# Allegro board PROC048A_BRD.brd (continued)
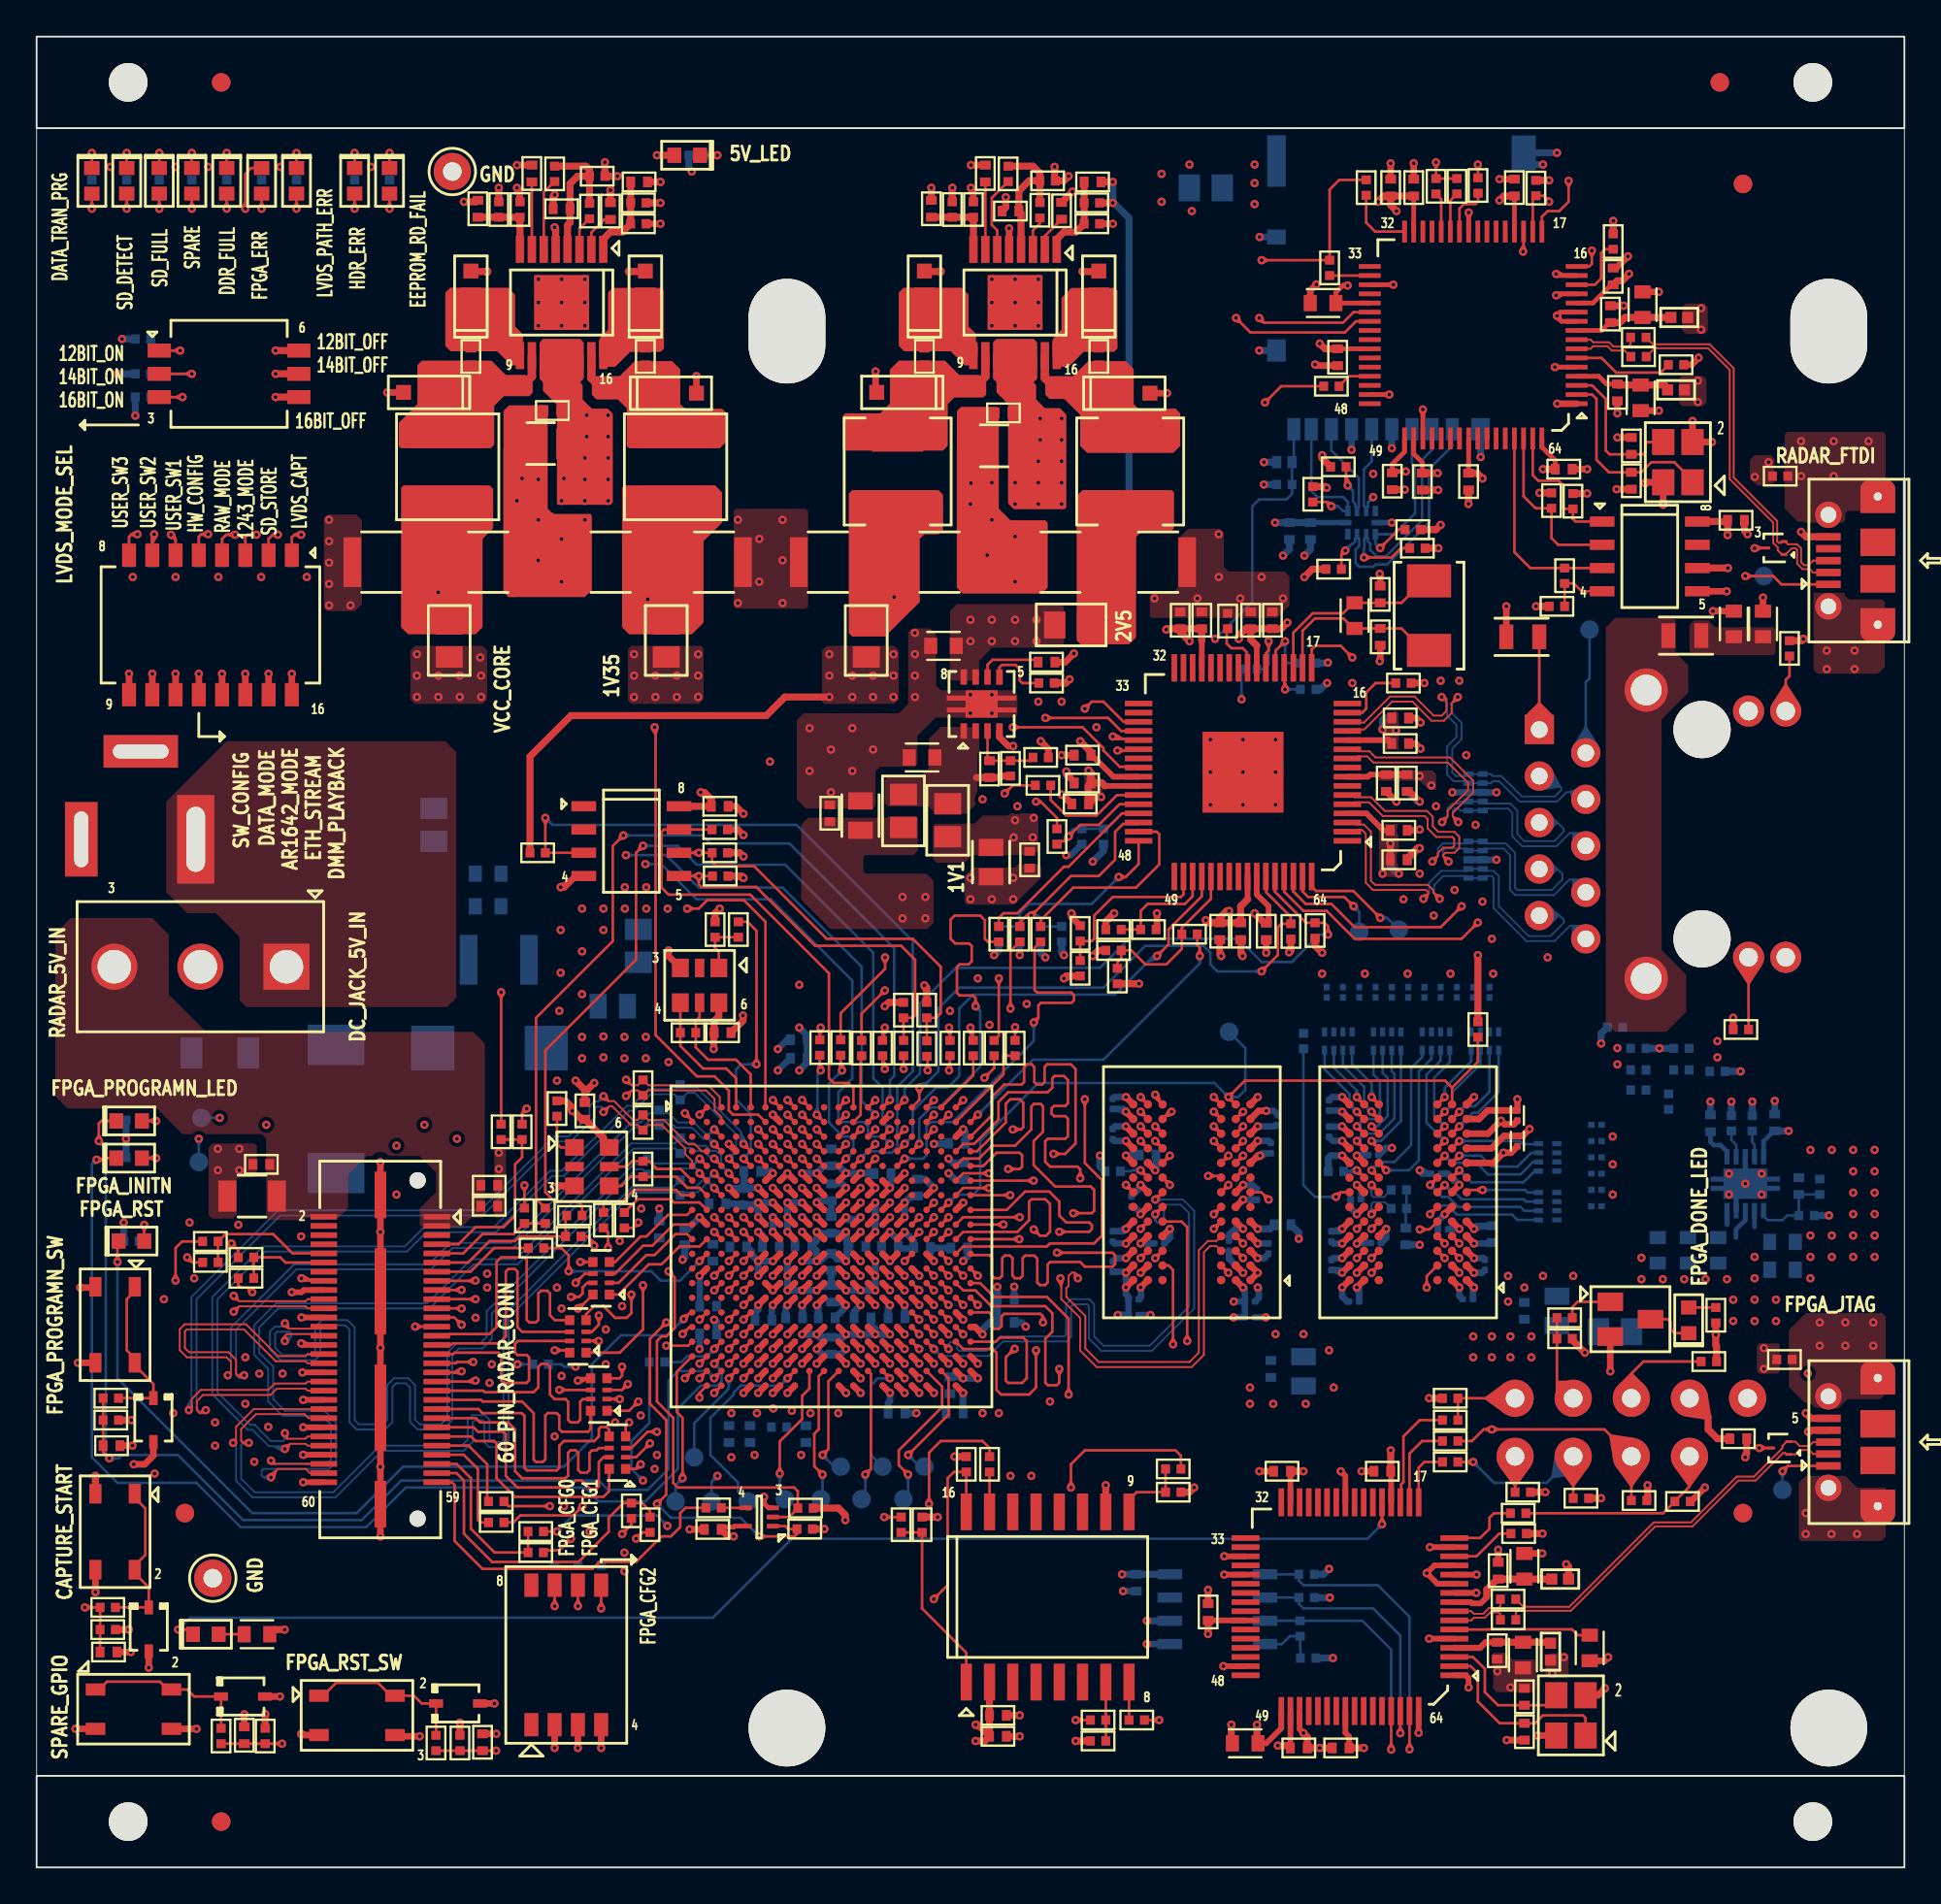
[diagram p0: board, top side]
## Nets (continued)
3V3_A: C11.1 C40.1 C41.1 FL4.1 L3.2 R14.1
5V: C25.2 C26.2 C27.1 C28.1 C99.1 C100.1 D1.2(ANODE) D2.2(ANODE) D3.2(ANODE) D4.2(ANODE) FL8.2 LD10.2(ANODE) R1.2 R2.2 U1.11(PVIN1) U1.12(PVIN2) U1.13(PVIN3) U1.14(PVIN4) U2.11(PVIN1) U2.12(PVIN2) U2.13(PVIN3) U2.14(PVIN4)
GND: C1.2 C2.2 C3.2 C4.2 C7.2 C8.2 C9.2 C12.2 C13.2 C14.2 C15.2 C16.2 C17.2 C22.2 C23.2 C24.2 C25.1 C26.1 C27.2 C28.2 C29.2 C30.2 C31.2 C32.2 C33.2 C34.2 C35.2 C36.2 C37.2 C38.2 C39.2 C40.2 C41.2 C42.2 C43.2 C44.2 C45.2 C46.2 C47.2 C48.2 C49.1 C50.1 C51.2 C52.2 C53.2 C54.2 C55.2 C56.2 C57.2 C59.2 C60.2 C61.2 C62.2 C63.2 C64.2 C65.2 C66.2 C67.2 C68.2 C69.2 C70.2 C71.2 C72.2 C73.2 C74.1 C75.1 C76.2 C77.2 C78.2 C79.1 C80.1 C81.1 C82.2 C83.2 C84.1 C85.2 C86.2 C87.2 C88.2 C89.1 C90.2 C91.2 C92.2 C93.2 C94.2 C95.1 C96.1 C97.2 C98.2 C99.2 C100.2 C101.2 C102.2 C103.2 C104.2 C105.2 C106.2 C107.2 C108.2 C109.2 C110.2 C111.2 C112.2 C113.2 C114.2 C115.2 C116.1 C117.2 C118.1 C119.1 C120.1 C121.2 C122.1 C123.2 C124.2 C125.1 C126.2 C127.1 C128.1 C129.2 C130.2 C131.2 C132.1 C133.1 C134.1 C135.2 C136.2 C137.1 C138.1 C139.2 C140.1 C141.2 C142.1 C143.1 C144.2 C145.1 C146.1 C147.2 C148.1 C149.1 C150.1 C151.1 C152.2 C153.1 C154.2 C155.2 C156.2 C157.2 C158.1 C159.2 C160.2 C161.1 C162.1 C163.2 C164.1 C165.2 C166.1 C167.2 C168.1 C169.1 C170.1 C171.1 C172.2 C173.1 C174.2 C175.2 C176.1 C177.2 C178.2 C179.2 C180.2 C181.2 C182.2 C183.2 C184.1 C185.1 C186.2 C187.2 C188.1 C189.2 C190.2 C191.1 C192.1 C193.2 C194.1 C195.2 C196.2 C197.2 C198.2 C199.2 C200.1 C201.2 C202.1 C203.2 C204.2 C205.2 C206.1 C207.2 C208.2 C209.1 C210.1 C211.1 C212.1 C213.2 C214.1 C215.2 C216.2 D5.2(ANODE) D6.2(ANODE) D7.2(ANODE) D8.2(ANODE) D9.3(GND) D10.2 D11.3(GND) D12.2 D13.2 D14.2 D15.2(A) D16.2(ANODE) FL7.1 J1.5 J2.2 J2.3 J3.18 J3.24 J3.30 J3.36 J3.42 J3.48 J3.54 J3.60 J3.61 J3.62 J3.63 J3.64 J4.4 J4.5 J5.6(VSS) J5.12(CD2) Q1.2(EMITTER) R13.2 R15.2 R18.2 R19.2 R21.2 R25.1 R27.1 R39.2 R42.1 R44.2 R46.2 R49.2 R56.1 R59.1 R66.1 R109.1 R135.2 R155.2 R185.1 R187.1 R188.1 R190.2 R196.2 R205.2 R206.2 R207.2 S1.2 S1.3 S1.4 SW1.4 SW1.5 SW1.6 SW2.9 SW2.10 SW2.11 SW2.12 SW2.13 SW2.14 SW2.15 SW2.16 SW4.3 SW4.4 SW5.3 SW5.4 SW6.3 SW6.4 SW7.3 SW7.4 TP5.1(TP) TP32.1(TP) TP33.1(TP) U1.5(GND) U1.17(DAP) U2.5(GND) U2.17(DAP) U3.1(GND1) U3.5(GND2) U3.10(AGND) U3.11(GND3) U3.13(TEST) U3.15(GND4) U3.25(GND5) U3.35(GND6) U3.47(GND7) U3.51(GND8) U4.5(VSS) U5.4(GND) U5.9(EPAD) U6.65(EP) U7.4(GND) U8.3(GND) U9.3(GND) U10.A1(VSS#A1) U10.A8(VSS#A8) U10.B1(VSS#B1) U10.B2(VSSQ#B2) U10.B8(VSSQ#B8) U10.C9(VSSQ#C9) U10.D1(VSSQ#D1) U10.D8(VSS#D8) U10.D9(VSSQ#D9) U10.F2(VSS#F2) U10.F8(VSS#F8) U10.J1(VSS#J1) U10.J9(VSS#J9) U10.L1(VSS#L1) U10.L9(VSS#L9) U10.N1(VSS#N1) U10.N9(VSS#N9) U11.A1(VSS#A1) U11.A8(VSS#A8) U11.B1(VSS#B1) U11.B2(VSSQ#B2) U11.B8(VSSQ#B8) U11.C9(VSSQ#C9) U11.D1(VSSQ#D1) U11.D8(VSS#D8) U11.D9(VSSQ#D9) U11.F2(VSS#F2) U11.F8(VSS#F8) U11.J1(VSS#J1) U11.J9(VSS#J9) U11.L1(VSS#L1) U11.L9(VSS#L9) U11.N1(VSS#N1) U11.N9(VSS#N9) U12.B7(GND#B7) U12.B14(GND#B14) U12.C19(GND#C19) U12.D4(GND#D4) U12.F7(GND#F7) U12.F8(GND#F8) U12.F13(GND#F13) U12.F14(GND#F14) U12.G4(GND#G4) U12.G6(GND#G6) U12.G7(GND#G7) U12.G8(GND#G8) U12.G9(GND#G9) U12.G10(GND#G10) U12.G11(GND#G11) U12.G12(GND#G12) U12.G13(GND#G13) U12.G14(GND#G14) U12.G15(GND#G15) U12.G17(GND#G17) U12.H19(GND#H19) U12.J2(GND#J2) U12.J7(GND#J7) U12.J9(GND#J9) U12.J10(GND#J10) U12.J11(GND#J11) U12.J12(GND#J12) U12.J14(GND#J14) U12.K6(GND#K6) U12.K7(GND#K7) U12.K9(GND#K9) U12.K10(GND#K10) U12.K11(GND#K11) U12.K12(GND#K12) U12.K14(GND#K14) U12.K15(GND#K15) U12.L9(GND#L9) U12.L10(GND#L10) U12.L11(GND#L11) U12.L12(GND#L12) U12.M2(GND#M2) U12.M7(GND#M7) U12.M9(GND#M9) U12.M10(GND#M10) U12.M11(GND#M11) U12.M12(GND#M12) U12.M14(GND#M14) U12.M16(GND#M16) U12.N6(GND#N6) U12.N7(GND#N7) U12.N14(GND#N14) U12.N15(GND#N15) U12.P7(GND#P7) U12.P8(GND#P8) U12.P11(GND#P11) U12.P12(GND#P12) U12.P13(GND#P13) U12.P14(GND#P14) U12.R19(GND#R19) U12.U7(GNDA#U7) U12.U8(GNDA#U8) U12.U9(GNDA#U9) U12.U10(GNDA#U10) U12.U11(GNDA#U11) U12.U12(GNDA#U12) U12.U13(GNDA#U13) U12.U14(GNDA#U14) U12.V5(GNDA#V5) U12.V6(GNDA#V6) U12.V7(GNDA#V7) U12.V8(GNDA#V8) U12.V9(GNDA#V9) U12.V12(GNDA#V12) U12.V13(GNDA#V13) U12.V14(GNDA#V14) U12.V15(GNDA#V15) U12.V16(GNDA#V16) U12.V19(GNDA#V19) U12.V20(GNDA#V20) U12.W6(GNDA#W6) U12.W7(GNDA#W7) U12.W12(GNDA#W12) U12.W15(GNDA#W15) U12.W16(GNDA#W16) U12.W19(GNDA#W19) U12.W20(REFCLKN_D1) U12.Y5(HDRXP0_D0CH0) U12.Y6(HDRXN0_D0CH0) U12.Y7(HDRXP0_D0CH1) U12.Y8(HDRXN0_D0CH1) U12.Y11(REFCLKP_D0) U12.Y12(REFCLKN_D0) U12.Y14(HDRXP0_D1CH0) U12.Y15(HDRXN0_D1CH0) U12.Y16(HDRXP0_D1CH1) U12.Y17(HDRXN0_D1CH1) U12.Y19(REFCLKP_D1) U13.3(GND) U14.10(VSS) U15.1(GND#1) U15.5(GND#5) U15.10(AGND) U15.11(GND#11) U15.13(TEST) U15.15(GND#15) U15.25(GND#25) U15.35(GND#35) U15.47(GND#47) U15.51(GND#51) U16.5(GND) U17.3(GND#3) U17.8(GND#8) U18.3(GND#3) U18.8(GND#8) U19.4(PGND) U19.8(GND) U19.11(PAD) U20.5(VSS) Y1.2 Y1.4 Y3.2 Y3.4
GND_EARTH: C49.2 C50.2 R41.1
GND_SDCD: FL7.2 J5.10 J5.11 J5.13 J5.14
VCC5V_CONN: C76.1 C77.1 C78.1 C79.2 J3.1 J3.2 J3.3 SW3.3
VCC5V_EXT: J2.1 SW3.1
VCC_1V1: C10.1 C36.1 C37.1 FL2.1 L1.2 R12.1
VCC_AUX: C124.1 C137.2 C144.1 C199.1 C203.1 FL9.1 U12.F6(VCCAUX#F6) U12.F15(VCCAUX#F15) U12.P6(VCCAUX#P6) U12.P15(VCCAUX#P15) U12.V10(VCCAUXA0#V10) U12.V11(VCCAUXA0#V11) U12.V17(VCCAUXA1#V17) U12.V18(VCCAUXA1#V18)
VCC_CORE: C151.2 C160.1 C171.2 C172.1 C173.2 C174.1 C182.1 C183.1 C188.2 C194.2 FL2.2 U12.H8(VCC#H8) U12.H9(VCC#H9) U12.H10(VCC#H10) U12.H11(VCC#H11) U12.H12(VCC#H12) U12.H13(VCC#H13) U12.J8(VCC#J8) U12.J13(VCC#J13) U12.K8(VCC#K8) U12.K13(VCC#K13) U12.L8(VCC#L8) U12.L13(VCC#L13) U12.M8(VCC#M8) U12.M13(VCC#M13) U12.N8(VCC#N8) U12.N9(VCC#N9) U12.N10(VCC#N10) U12.N11(VCC#N11) U12.N12(VCC#N12) U12.N13(VCC#N13)
VCCHTX: C63.1 C64.1 C209.2 C211.2 C212.2 FL5.2 R214.1 U12.T6(VCCA0#T6) U12.T15(VCCA1#T15) U12.U6(VCCA0#U6) U12.U15(VCCA1#U15)
VCCHTX_1V1: C57.1 C58.1 FL5.1 FL6.1 R45.1 U5.1(OUT1) U5.2(OUT2)
VCCHTX_C: C200.2 C206.2 C210.2 R214.2 U12.T7(VCCHTX0_D0CH0) U12.T8(VCCHRX0_D0CH0) U12.T9(VCCHRX1_D0CH1) U12.T10(VCCHTX1_D0CH1) U12.T11(VCCHTX0_D1CH0) U12.T12(VCCHRX0_D1CH0) U12.T13(VCCHRX1_D1CH1) U12.T14(VCCHTX1_D1CH1)
12MHZ_OSCI: C31.1 U3.2(OSCI) Y1.1
12MHZ_OSCI1: C93.1 U15.2(OSCI) Y3.1
12MHZ_OSCO: C29.1 U3.3(OSCO) Y1.3
12MHZ_OSCO1: C91.1 U15.3(OSCO) Y3.3
AR1243_LVDS_MODE: R175.2 SW2.3 U12.C6(PT11A)
BST1_REGA: C19.2 D7.1(CATHODE) L2.1 U1.15(SW1)
BST1_REGB: C21.2 D8.1(CATHODE) L4.1 U2.15(SW1)
BST2_REGA: C18.2 D5.1(CATHODE) L1.1 U1.10(SW2)
BST2_REGB: C20.2 D6.1(CATHODE) L3.1 U2.10(SW2)
C_RGMII_RXC: R47.2 U6.43(RX_CLK)
C_RGMII_RXCTL: R63.2 R64.2 R66.2 U6.53(RX_DV/RX_CTRL)
C_RGMII_RXD0: R48.1 R184.2 R185.2 U6.44(RX_D0)
C_RGMII_RXD1: R60.1 U6.45(RX_D1)
C_RGMII_RXD2: R61.1 R186.1 R187.2 U6.46(RX_D2)
C_RGMII_RXD3: R62.1 U6.47(RX_D3)
C_RGMII_RXD4: R188.2 R189.1 U6.48(RX_D4/GPIO)
C_RGMII_RXD6: R59.2 R65.1 U6.50(RX_D6/GPIO)
C_RGMII_RXD7: R55.1 R56.2 U6.51(RX_D7/GPIO)
CAPTURE_START: C89.2 R151.1 R153.2 U12.U1(PB6A/D5/MISO2/IO5)
CFG0: R217.2 S1.7 U12.U4(CFG_0)
CFG1: R216.2 S1.6 U12.T4(CFG_1)
CFG2: R215.2 S1.5 U12.R4(CFG_2)
CONFIG_VIA_HW: R177.2 SW2.5 U12.A7(PT18A)
CONN_SPI_CLK: J3.9 R91.2 R92.2
CONN_SPI_CSN: J3.7 R85.2 R86.2
CONN_SPI_MISO: J3.12 R90.2 R96.2
CONN_SPI_MOSI: J3.11 R99.2 R101.2
DATA_TRANS_PROG_LED1: LD1.1(CATHODE) U12.E6(PT6A)
DDR3_A0: RA6.6 U10.K3(A0) U11.K3(A0) U12.K18(PR41D)
DDR3_A1: RA7.7 U10.L7(A1) U11.L7(A1) U12.G20(PR38D)
DDR3_A2: RA6.5 U10.L3(A2) U11.L3(A2) U12.G19(PR41A/GR_PCLK2_1)
DDR3_A3: RA9.8 U10.K2(A3) U11.K2(A3) U12.J18(PR41C/GR_PCLK2_0)
DDR3_A4: RA7.8 U10.L8(A4) U11.L8(A4) U12.J19(PR44A/PCLKT2_1/S2_OUT)
DDR3_A5: RA5.5 U10.L2(A5) U11.L2(A5) U12.J16(PR20D)
DDR3_A6: RA8.8 U10.M8(A6) U11.M8(A6) U12.E20(PR38A)
DDR3_A7: RA5.6 U10.M2(A7) U11.M2(A7) U12.K17(PR29B)
DDR3_A8: RA8.7 U10.N8(A8) U11.N8(A8) U12.J20(PR44C/PCLKT2_0/S3_IN)
DDR3_A9: RA5.7 U10.M3(A9) U11.M3(A9) U12.D20(PR35C/VREF1_2)
DDR3_A10: RA6.8 U10.H7(A10/AP) U11.H7(A10/AP) U12.K19(PR44B/PCLKC2_1)
DDR3_A11: RA8.6 U10.M7(A11) U11.M7(A11) U12.F19(PR38B)
DDR3_A12: RA7.5 U10.K7(A12/BC#) U11.K7(A12/BC#) U12.F20(PR38C)
DDR3_A13: RA5.8 U10.N3(A13) U11.N3(A13) U12.L19(PR47C/PCLKT3_0/S4_IN)
DDR3_A14: RA8.5 U10.N7(A14) U11.N7(A14) U12.K16(PR29A)
DDR3_A15: RA6.7 U10.J7(A15) U11.J7(A15) U12.J17(PR20C)
DDR3_BA0: RA9.7 U10.J2(BA0) U11.J2(BA0) U12.D19(PR35B/S2_IN)
DDR3_BA1: RA7.6 U10.K8(BA1) U11.K8(BA1) U12.C20(PR35A/S1_OUT)
DDR3_BA2: RA9.6 U10.J3(BA2) U11.J3(BA2) U12.H17(PR20B)
DDR3_CASN: RA10.7 U10.G3(CAS#) U11.G3(CAS#) U12.E19(PR35D)
DDR3_CK: R210.1 U10.F7(CK) U11.F7(CK) U12.U18(PR92A/LRC_GPLL0T_MFGOUT1)
DDR3_CKE: R191.1 U10.G9(CKE) U11.G9(CKE) U12.L20(PR47A/PCLKT3_1/S3_OUT)
DDR3_CKN: R209.1 U10.G7(CK#) U11.G7(CK#) U12.U17(PR92B/LRC_GPLL0C_MFGOUT1)
DDR3_CSN: RA9.5 U10.H2(CS#) U11.H2(CS#) U12.T17(PR92D/LRC_GPLL0C_IN/S7_OUT)
DDR3_DM0: U11.B7(DM/TDQS) U12.U19(PR89C/LRC_GPLL0T_MFGOUT2)
DDR3_DM1: U10.B7(DM/TDQS) U12.R17(PR56D)
DDR3_DQ0: U11.B3(DQ0) U12.N20(PR83B/S6_IN)
DDR3_DQ1: U11.C7(DQ1) U12.P19(PR83C)
DDR3_DQ2: U11.C2(DQ2) U12.N19(PR83A/S5_OUT)
DDR3_DQ3: U11.C8(DQ3) U12.R20(PR86B/S7_IN)
DDR3_DQ4: U11.E3(NF/DQ4) U12.U20(PR86D)
DDR3_DQ5: U11.E8(NF/DQ5) U12.P18(PR83D)
DDR3_DQ6: U11.D2(NF/DQ6) U12.U16(PR92C/LRC_GPLL0T_IN)
DDR3_DQ7: U11.E7(NF/DQ7) U12.P20(PR86A/S6_OUT)
DDR3_DQ8: U10.B3(DQ0) U12.M19(PR47D/PCLKC3_0)
DDR3_DQ9: U10.C7(DQ1) U12.L16(PR50A/GR_PCLK3_0)
DDR3_DQ10: U10.C2(DQ2) U12.R16(PR56C/S5_IN)
DDR3_DQ11: U10.C8(DQ3) U12.N17(PR56A/S4_OUT)
DDR3_DQ12: U10.E3(NF/DQ4) U12.M20(PR47B/PCLKC3_1)
DDR3_DQ13: U10.E8(NF/DQ5) U12.N18(PR53C)
DDR3_DQ14: U10.D2(NF/DQ6) U12.L18(PR50C/GR_PCLK3_1)
DDR3_DQ15: U10.E7(NF/DQ7) U12.M18(PR50D)
DDR3_DQS0: U11.C3(DQS) U12.T19(PR89A)
DDR3_DQS0N: U11.D3(DQS#) U12.R18(PR89B)
DDR3_DQS1: U10.C3(DQS) U12.N16(PR53A)
DDR3_DQS1N: U10.D3(DQS#) U12.M17(PR53B)
DDR3_ODT: RA10.8 U10.G1(ODT) U11.G1(ODT) U12.T16(PR77A)
DDR3_RASN: RA10.5 U10.F3(RAS#) U11.F3(RAS#) U12.H20(PR41B)
DDR3_RSTN: R69.2 TP13.1(TP) U10.N2(RESET#) U11.N2(RESET#) U12.H18(PR20A)
DDR3_VDD: C74.2 C75.2 C128.2 C129.1 C130.1 C134.2 C135.1 C138.2 C146.2 C152.1 C154.1 C155.1 C161.2 C164.2 C165.1 C168.2 C169.2 C170.2 C178.1 C184.2 C185.2 C186.1 C189.1 C190.1 C192.2 C193.1 C195.1 C196.1 C197.1 C198.1 C207.1 C208.1 FL10.2 U10.A2(VDD#A2) U10.A9(VDD#A9) U10.B9(VDDQ#B9) U10.C1(VDDQ#C1) U10.D7(VDD#D7) U10.E2(VDDQ#E2) U10.E9(VDDQ#E9) U10.G2(VDD#G2) U10.G8(VDD#G8) U10.K1(VDD#K1) U10.K9(VDD#K9) U10.M1(VDD#M1) U10.M9(VDD#M9) U11.A2(VDD#A2) U11.A9(VDD#A9) U11.B9(VDDQ#B9) U11.C1(VDDQ#C1) U11.D7(VDD#D7) U11.E2(VDDQ#E2) U11.E9(VDDQ#E9) U11.G2(VDD#G2) U11.G8(VDD#G8) U11.K1(VDD#K1) U11.K9(VDD#K9) U11.M1(VDD#M1) U11.M9(VDD#M9)
DDR3_VREF: C132.2 R199.1 U19.6(REFOUT)
DDR3_VTT: C113.1 C114.1 C115.1 C116.2 C117.1 C118.2 C119.2 C120.2 C121.1 C122.2 C123.1 C133.2 C136.1 C141.1 C145.2 C150.2 C157.1 C179.1 C180.1 C181.1 R191.2 R197.1 RA5.1 RA5.2 RA5.3 RA5.4 RA6.1 RA6.2 RA6.3 RA6.4 RA7.1 RA7.2 RA7.3 RA7.4 RA8.1 RA8.2 RA8.3 RA8.4 RA9.1 RA9.2 RA9.3 RA9.4 RA10.1 RA10.2 RA10.3 RA10.4 U19.3(VO) U19.5(VOSNS)
DDR3_WEN: RA10.6 U10.H3(WE#) U11.H3(WE#) U12.K20(PR44D/PCLKC2_0)
DDR_1V35: C5.1 C38.1 C39.1 FL3.1 L2.2 R10.1
DDR_FULL_LED7: LD6.1(CATHODE) U12.E10(PT56B)
DMM_CLK: J3.15 R94.2
DMM_CLK_C: R94.1 U12.G1(PL47D/PCLKC6_0)
DMM_MUX_CTL: J3.16 R120.2
DMM_MUX_CTL_C: R120.1 U12.P5(PL83D/D14/IO14)
DMM_SYNC: J3.17 R95.2
DMM_SYNC_C: R95.1 U12.H2(PL47C/PCLKT6_0)
DONE: R104.2 R107.2 TP2.1(TP) U12.Y3(DONE)
DP0: J3.19 RA1.5
DP0_C: RA1.4 U12.H1(PL53C)
DP1: J3.21 RA1.6
DP1_C: RA1.3 U12.J1(PL53B)
DP2: J3.23 RA1.7
DP2_C: RA1.2 U12.K1(PL53D)
DP3: J3.25 RA1.8
DP3_C: RA1.1 U12.K2(PL53A)
DP4: J3.27 RA2.5
DP4_C: RA2.4 U12.K3(PL50D)
DP5: J3.29 RA2.6
DP5_C: RA2.3 U12.K4(PL56A)
DP6: J3.31 RA2.7
DP6_C: RA2.2 U12.J5(PL50B)
DP7: J3.33 RA2.8
DP7_C: RA2.1 U12.K5(PL56B/VREF1_6)
DP8: J3.35 RA3.5
DP8_C: RA3.4 U12.J4(PL50A/GR_PCLK6_0)
DP9: J3.37 RA3.6
DP9_C: RA3.3 U12.L5(PL56D)
DP10: J3.39 RA3.7
DP10_C: RA3.2 U12.J3(PL50C/GR_PCLK6_1)
DP11: J3.41 RA3.8
DP11_C: RA3.1 U12.M4(PL83A)
DP12: J3.43 RA4.5
DP12_C: RA4.4 U12.L4(PL56C)
DP13: J3.45 RA4.6
DP13_C: RA4.3 U12.N4(PL83C/D15/IO15)
DP14: J3.47 RA4.7
DP14_C: RA4.2 U12.N5(PL83B)
DP15: J3.49 RA4.8
DP15_C: RA4.1 U12.M5(PL77A)
ECP5U_VREF: C213.1 C214.2 R192.2 R194.1 R196.1 U12.P16(PR56B/VREF1_3)
EEPROM_ADD: R50.2 U7.3(A2) U12.E12(PT74B/GR_PCLK1_1)
EEPROM_RD_FAIL_LED6: LD9.1(CATHODE) U12.C11(PT65B/PCLKC0_0)
EEPROM_WP: R49.1 U7.7(WP) U12.A12(PT76A)
ETH_D0N: J6.10(TD0-) U6.3(TD_M_A) U18.5(D2-) U18.6(NC1)
ETH_D0P: J6.9(TD0+) U6.2(TD_P_A) U18.4(D2+) U18.7(NC2)
ETH_D1N: J6.8(TD1-) U6.6(TD_M_B) U18.2(D1-) U18.9(NC3)
ETH_D1P: J6.7(TD1+) U6.5(TD_P_B) U18.1(D1+) U18.10(NC4)
ETH_D2N: J6.6(TD2-) U6.11(TD_M_C) U17.5(D2-) U17.6(NC1)
ETH_D2P: J6.5(TD2+) U6.10(TD_P_C) U17.4(D2+) U17.7(NC2)
ETH_D3N: J6.4(TD3-) U6.14(TD_M_D) U17.2(D1-) U17.9(NC3)
ETH_D3P: J6.3(TD3+) U6.13(TD_P_D) U17.1(D1+) U17.10(NC4)
ETH_INT: R58.2 U6.60(INT/PWDN) U12.A15(PT103A)
FB1_REGA: C5.2 R10.2 R18.1 U1.1(FB1)
FB1_REGB: C6.2 R11.2 R19.1 U2.1(FB1)
FB2_REGA: C10.2 R12.2 R13.1 U1.8(FB2)
FB2_REGB: C11.2 R14.2 R15.1 U2.8(FB2)
FPGA_DDR3_CLK_IN_N: R71.2 U8.5(OUTPUT2) U12.A5(PL11B/ULC_GPLL0C_IN)
FPGA_DDR3_CLK_IN_P: R71.1 U8.4(OUTPUT1) U12.A4(PL11A/ULC_GPLL0T_IN)
FPGA_ERR_LED2: LD5.1(CATHODE) U12.D10(PT56A)
FPGA_HOST_INT: R97.1 U12.M3(PL86B/D12/IO12)
FPGA_MCU_RSTN: R147.2 U12.N3(PL86A/D13/IO13) U13.1(A)
FPGA_RST: C96.2 LD13.1(CATHODE) R161.1 R162.2 U12.R1(PB4A/D7/IO7)
FPGA_SPI_CS: R86.1 U12.E13(PT80B)
FPGA_SPI_MISO: R90.1 U12.D14(PT85A)
FPGA_SPI_MOSI: R99.1 U12.C14(PT83B)
FPGA_SPI_SCK: R92.1 U12.A14(PT83A)
FPGA_UART_RX: R142.1 U12.A13(PT76B)
FPGA_UART_TX: R139.1 U12.B13(PT78A)
FT_FPGA_RF_EP_I2C_SCL: R3.1 R51.2 R68.2 R81.1 R141.1 U7.6(SCL)
FT_FPGA_RF_EP_I2C_SDA: R4.1 R5.1 R52.2 R67.2 R76.1 R136.1 U7.5(SDA)
FTDI1_VDD_1V8: C97.1 U15.12(VCORE#12) U15.37(VCORE#37) U15.49(VREGOUT) U15.64(VCORE#64)
FTDI1_VPHY: C88.1 C90.1 FB4.2 U15.4(VPHY)
FTDI1_VPLL: C85.1 C86.1 FB3.2 U15.9(VPLL)
FTDI2_VCORE: C14.1 C15.1 C30.1 C32.1 U3.12(VCORE#12) U3.37(VCORE#37) U3.49(VREGOUT) U3.64(VCORE#64)
FTDI2_VPHY: C23.1 C24.1 FB2.2 U3.4(VPHY)
FTDI2_VPLL: C16.1 C17.1 FB1.2 U3.9(VPLL)
FTDI_HOST_INT: R6.1 R22.1 R100.1
FTDI_JTAG_ACT: LD15.1(CATHODE) U15.21(ADBUS4)
FTDI_JTAG_TCK: R135.1 R140.2 TP9.1(TP) U12.T5(TCK/TEST_CLK)
FTDI_JTAG_TDI: R124.2 R133.1 TP7.1(TP) U12.R5(TDI)
FTDI_JTAG_TDO: R121.2 R134.1 TP8.1(TP) U12.V4(TDO)
FTDI_JTAG_TMS: R115.1 R118.2 TP1.1(TP) U12.U5(TMS)
FTDI_MCU_RSTN: R26.1 R144.2 U13.2(B)
FTDI_UART_RXD: R146.1 U3.38(CDBUS0)
FTDI_UART_TXD: R138.1 U3.39(CDBUS1)
FTDI_USB1_DM: D11.1(D+) J4.2 R152.1
FTDI_USB1_DM_C: R152.2 U15.7(DM)
FTDI_USB1_DP: D11.2(D-) J4.3 R150.1
FTDI_USB1_DP_C: R150.2 U15.8(DP)
FTDI_USB2_DM: D9.1(D+) J1.2 R24.1
FTDI_USB2_DM_C: R24.2 U3.7(DM)
FTDI_USB2_DP: D9.2(D-) J1.3 R23.1
FTDI_USB2_DP_C: R23.2 U3.8(DP)
GPIO_PHY_RESETN: R57.2 U6.59(RESET_N) U12.A16(PT110A)
HEADER_ERR_LED4: LD8.1(CATHODE) U12.B11(PT65A/PCLKT0_0)
HOST_INT: J3.10 R97.2 R100.2
INITN: LD12.1(CATHODE) R111.2 TP3.1(TP) U12.V3(INITN)
LED_ACTN: J6.12 U6.61(LED_2)
LED_LINKN: J6.13 U6.62(LED_1)
LED_SPEED: TP12.1(TP) U6.63(LED_0)
LVDS_0M: J3.58 R203.2 U12.E3(PL20B)
LVDS_0P: J3.56 R203.1 U12.F4(PL20A)
LVDS_1M: J3.52 R198.2 U12.D5(PL17B)
LVDS_1P: J3.50 R198.1 U12.E4(PL17A)
LVDS_2M: J3.40 R84.2 U12.E1(PL38D)
LVDS_2P: J3.38 R84.1 U12.D2(PL38C)
LVDS_3M: J3.34 R200.2 U12.D3(PL17D)
LVDS_3P: J3.32 R200.1 U12.C3(PL17C)
LVDS_12BIT_MODE_ON: R223.1 SW1.1 U12.A6(PT4A/ULC_GPLL1T_IN)
LVDS_14BIT_MODE_ON: R222.1 SW1.2 U12.B6(PT4B/ULC_GPLL1C_IN)
LVDS_16BIT_MODE_ON: R224.1 SW1.3 U12.D7(PT9B)
LVDS_CAPTURE: R173.2 SW2.1 U12.E8(PT13A)
LVDS_CLKM: J3.46 R208.2 U12.F3(PL44B/PCLKC7_1)
LVDS_CLKP: J3.44 R208.1 U12.G3(PL44A/PCLKT7_1)
LVDS_FRCLKN: J3.28 R204.2 U12.E2(PL44D/PCLKC7_0)
LVDS_FRCLKP: J3.26 R204.1 U12.F2(PL44C/PCLKT7_0)
LVDS_PATH_ERR_LED3: LD7.1(CATHODE) U12.A11(PT63B/PCLKC0_1)
LVDS_VALIDM: J3.22 R82.2 U12.B3(PL14D)
LVDS_VALIDP: J3.20 R82.1 U12.A3(PL14C)
MCU_RSTN: J3.59 R143.2
MDIO_MDC: R75.1 R183.2 U6.20(MDC)
MDIO_MDIO: R73.1 R181.2 U6.21(MDIO)
MEM_VREF: C139.1 C140.2 C159.1 C162.2 R190.1 R193.2 R195.2 U10.E1(VREFDQ) U10.J8(VREFCA) U11.E1(VREFDQ) U11.J8(VREFCA)
OSC_CLKEN: R54.1 U12.E5(PL20C)
PG: R201.2 U19.9(PGOOD)
PGOOD: R98.1 U12.L2(PL86D/D10/IO10)
PHY_JTAG_RESET: R39.1 U6.24(JTAG_TRSTN)
PROGRAMN: C81.2 LD11.1(CATHODE) R114.1 R117.2 R132.2 TP6.1(TP) U12.W3(PROGRAMN)
RAW_MODE: R176.2 SW2.4 U12.C8(PT15A)
RF_CONN_SPI_CS: R85.1 U3.19(ADBUS3)
RF_CONN_SPI_MISO: R7.2 R96.1 U3.18(ADBUS2)
RF_CONN_SPI_MOSI: R101.1 U3.17(ADBUS1)
RF_CONN_SPI_SCK: R91.1 U3.16(ADBUS0)
RGMII_CLKOUT: R182.1 U12.A19(PT121A/URC_GPLL1T_IN)
RGMII_RXC: R47.1 U12.D11(PT69A/PCLKT1_1)
RGMII_RXCTL: R63.1 U12.B20(PT121B/URC_GPLL1C_IN)
RGMII_RXD0: R48.2 U12.B17(PT114A)
RGMII_RXD1: R60.2 U12.D16(PT112B)
RGMII_RXD2: R61.2 U12.A17(PT116A)
RGMII_RXD3: R62.2 U12.E15(PT107B)
RGMII_TXC: R74.1 U6.40(GTX_CLK)
RGMII_TXCTL: U6.52(TX_EN/TX_CTRL) U12.D15(PT107A)
RGMII_TXD0: R80.1 U6.38(TX_D0)
RGMII_TXD1: R78.1 U6.37(TX_D1)
RGMII_TXD2: R77.1 U6.36(TX_D2)
RGMII_TXD3: R79.1 U6.35(TX_D3)
RS232RX: J3.55 R142.2 R146.2
RS232TX: J3.57 R138.2 R139.2
SCL: J3.53 R141.2
SD_CD: D15.1(K) J5.9(CD1) R172.2 U12.C15(PT105B)
SD_CLK: J5.5(CLK) R72.2 U16.3(IO3)
SD_CMD: J5.3(CMD) R32.2 U12.E9(PT20B) U16.6(IO4)
SD_DAT0: J5.7(DAT0) R28.2 U12.D9(PT20A) U16.2(IO2)
SD_DAT1: J5.8(DAT1) R29.2 U12.C10(PT58B) U16.1(IO1)
SD_DAT2: J5.1(DAT2) R34.2 U12.A9(PT60A/GR_PCLK0_1) U16.8(IO6)
SD_DAT3: J5.2(CD/DAT3) R33.2 U12.B9(PT58A) U16.7(IO5)
SD_DETECT_LED5: LD2.1(CATHODE) U12.D6(PT6B)
SD_FULL_LED0: LD3.1(CATHODE) U12.C9(PT54A)
SD_STORE: R174.2 SW2.2 U12.C7(PT11B)
SDA: J3.51 R136.2
SPARE_GPIO_SW: C95.2 R159.1 R160.2 U12.T1(PB4B/D6/IO6)
SPARE_LED8: LD4.1(CATHODE) U12.E7(PT9A)
SPI_CS_N: R156.1 U12.R2(PB15A/HOLDN/DI/BUSY/CSSPIN/CEN)
SPI_HOLD_N: R148.1 U12.W1(PB9A/D3/IO3)
SPI_MISO: R157.1 U12.V2(PB11A/D1/MISO/IO1)
SPI_MOSI: R126.1 U12.W2(PB11B/D0/MOSI/IO0)
SPI_SCK: R125.2 R213.1 U14.16(C)
SPI_WP_N: R127.1 U12.Y2(PB9B/D2/IO2)
SYS_CLK100_N: R88.2 U9.5(OUTPUT2) U12.F1(PL47B/PCLKC6_1)
SYS_CLK100_P: R88.1 U9.4(OUTPUT1) U12.G2(PL47A/PCLKT6_1)
USB1_CS: R218.2 U15.63(EECS) U20.1(CS)
USB1_DI: R220.2 U15.61(EEDATA) U20.3(DI)
USB1_DO: R220.1 R221.2 U20.4(DO)
USB1_SCK: R219.2 U15.62(EECLK) U20.2(CLK)
USB2_CS: R31.2 U3.63(EECS) U4.1(CS)
USB2_DI: R35.2 U3.61(EEDATA) U4.3(DI)
USB2_DO: R35.1 R37.2 U4.4(DO)
USB2_SCK: R30.2 U3.62(EECLK) U4.2(CLK)
USER_SW1: R178.2 SW2.6 U12.B8(PT15B)
USER_SW2: R179.2 SW2.7 U12.A8(PT18B)
USER_SW3: R180.2 SW2.8 U12.D8(PT13B)
N35698: J6.SH1 J6.SH2 R41.2
N35954: J6.1(CH-GND) R42.2
N35962: J6.11 R70.2
N36046: J6.14 R40.2
N40882: C44.1 R38.1 U6.19(X_I) Y2.1
N40902: C51.1 R38.2 U6.18(X_O) Y2.2
N41020: R182.2 U6.22(CLK_OUT)
N41650: TP11.1(TP) U6.17(VDDA1P8#17) U6.64(VDDA1P8#64)
N44878: R44.1 U6.15(RBIAS)
N70149: R155.1 U15.6(REF)
N70296: R145.2 U15.14(RESET#)
N76086: R140.1 U15.16(ADBUS0)
N76092: R124.1 U15.17(ADBUS1)
N76288: R121.1 U15.18(ADBUS2)
N76294: R118.1 U15.19(ADBUS3)
N77950: LD15.2(ANODE) R154.2
N12057923: C163.1 R209.2 R210.2
N12082124: R213.2 U12.U3(CCLK/MCLK/SCK)
N12141516: R25.2 U3.6(REF)
N12141647: R20.2 U3.14(R\E\S\E\T\)
N12198012: R53.2 R54.2 U8.1(TRI-STATE)
N12285548: J3.13 R98.2
N12367018: TP17.1(TP) U12.W11(RESERVED#W11)
N12367024: TP20.1(TP) U12.W10(RESERVED#W10)
N12367080: TP14.1(TP) U12.W4(HDTXP0_D0CH0)
N12367084: TP23.1(TP) U12.W5(HDTXN0_D0CH0)
N12367136: TP22.1(TP) U12.W8(HDTXP0_D0CH1)
N12367140: TP21.1(TP) U12.W9(HDTXN0_D0CH1)
N12367168: TP19.1(TP) U12.W13(HDTXP0_D1CH0)
N12367248: TP16.1(TP) U12.W14(HDTXN0_D1CH0)
N12367252: TP18.1(TP) U12.W17(HDTXP0_D1CH1)
N12367256: TP15.1(TP) U12.W18(HDTXN0_D1CH1)
N12556752: R6.2 U3.32(BDBUS5)
N12556756: R22.2 U3.34(BDBUS7)
N12556864: R5.2 U3.27(BDBUS1)
N12556868: R4.2 U3.28(BDBUS2)
N12563455: R26.2 U3.45(CDBUS6)
N15277458: R43.2 U5.5(EN)
N15277487: C53.1 U5.6(NR)
N15279182: C58.2 R45.2 R46.1 U5.3(FB/SNS)
N15280631: C2.1 R1.1 R8.1 R16.1 U1.4(AVIN)
N15281998: R16.2 U1.3(EN1)
N15282067: R8.2 U1.6(EN2)
N15282531: C12.1 U1.2(SS1)
N15282538: C1.1 U1.7(SS2)
N15283211: C18.1 D1.1(CATHODE) U1.9(BST2)
N15283215: C19.1 D2.1(CATHODE) U1.16(BST1)
N15294700: C21.1 D4.1(CATHODE) U2.16(BST1)
N15294712: C20.1 D3.1(CATHODE) U2.9(BST2)
N15294756: C4.1 R2.1 R9.1 R17.1 U2.4(AVIN)
N15294840: R17.2 U2.3(EN1)
N15294864: R9.2 U2.6(EN2)
N15294982: C13.1 U2.2(SS1)
N15294990: C3.1 U2.7(SS2)
N15331843: C148.2 R207.1 R211.2 U19.1(REFIN)
N15331979: R202.2 U19.7(EN)
N15354055: R194.2 R195.1 R197.2 R199.2
N15358263: R83.2 U9.1(TRI-STATE)
N15366217: LD11.2(ANODE) R87.2
N15366273: LD13.2(ANODE) R93.2
N15366361: LD14.2(ANODE) R103.2
N15366449: LD14.1(CATHODE) Q1.3(COLLECTOR)
N15366479: Q1.1(BASE) R104.1
N15371882: D12.1 R151.2 SW5.1 SW5.2
N15373103: D14.1 R161.2 SW7.1 SW7.2
N15375282: D13.1 R159.2 SW6.1 SW6.2
N15376242: D10.1 R114.2 SW4.1 SW4.2
N15385918: J4.SH1 J4.SH2 J4.SH3 J4.SH4 R109.2
N15385952: J4.1 TP30.1(TP)
N15394436: J1.1 TP31.1(TP)
N15394548: J1.SH1 J1.SH2 J1.SH3 J1.SH4 R27.2
N15403136: R143.1 U13.4(Y)
N15568992: R205.1 U11.H8(ZQ)
N15578317: R206.1 U10.H8(ZQ)
N15683813: J6.2(VCC) TP10.1(TP)
N15696938: R3.2 U3.26(BDBUS0)
N15697022: R76.2 U12.C13(PT78B)
N15697026: R81.2 U12.D13(PT80A)
N15801768: R73.2 U12.E11(PT69B/PCLKC1_1)
N15802042: R80.2 U12.B19(PT119B)
N15802046: R78.2 U12.A18(PT119A)
N15802050: R77.2 U12.C17(PT114B)
N15802054: R79.2 U12.B18(PT116B)
N15802227: R74.2 U12.B12(PT71A/PCLKT1_0)
N15802298: R75.2 U12.C12(PT71B/PCLKC1_0)
N15837314: LD12.2(ANODE) R89.2
N15837897: R72.1 U12.B10(PT60B/GR_PCLK0_0)
N15863331: LD3.2(ANODE) R169.1
N15864243: LD1.2(ANODE) R171.1
N15865404: LD5.2(ANODE) R167.1
N15865498: LD7.2(ANODE) R165.1
N15865593: LD8.2(ANODE) R164.1
N15870131: LD2.2(ANODE) R170.1
N15870370: LD9.2(ANODE) R163.1
N15870464: LD6.2(ANODE) R166.1
N15870575: LD4.2(ANODE) R168.1
N16168033: TP27.1(TP) U12.A2(PL35A)
N16168037: TP28.1(TP) U12.B1(PL35B)
N16178955: TP29.1(TP) U12.V1(PB6B/D4/MOSI2/IO4)
N16278938: LD10.1(CATHODE) R21.1
N16279120: C109.1 C110.1 C112.1 C126.1 D16.1(CATHODE) F1.2 FL8.1
N16279144: F1.1 SW3.2(COMM)
N16403293: R156.2 R158.2 U14.7(S#)
N16403351: R148.2 R149.2 U14.1(DQ3)
N16403393: R127.2 R131.2 U14.9(W#/DQ2)
N16403481: R126.2 U14.15(DQ0)
N16403515: R157.2 U14.8(DQ1)

Pads without a net: J1 4; J3 4 5 6 8 14; S1 1 8; U3 21 22 23 24 29 30 33 36 40 41 43 44 46 48 52 53 54 55 57 58 59 60; U4 7; U6 1 7 9 16 25 26 27 28 30 31 32 33 34 39 49 54 55 56; U7 1 2; U8 2; U9 2; U10 A3 A7 F1 F9 H1 H9; U11 A3 A7 F1 F9 H1 H9; U12 A10 B2 B4 B5 B15 B16 C1 C2 C4 C5 C16 C18 D1 D12 D17 D18 E14 E16 E17 E18 F5 F16 F17 F18 G5 G16 G18 H3 H4 H5 H16 L1 L3 M1 N1 N2 P1 P2 P3 P4 R3 T2 T3 U2; U14 3 4 5 6 11 12 13 14; U15 22 23 24 26 27 28 29 30 32 33 34 36 38 39 40 41 43 44 45 46 48 52 53 54 55 57 58 59 60; U16 4 9; U20 7

## Via types
v1: diameter 0.457, hole 0.203, TOP to BOTTOM, 1382 vias
